# Altium PCB MainBoard_6_layers.PcbDoc (part 4 of 6)
Units mil, origin at the board's own origin, x right, y up, seen from the top; angles counter-clockwise.
Board outline 6692.91 x 6692.91 mil, 6 copper layers (Top Layer, Layer 1, Layer 3, Layer 4, Layer 2, Bottom Layer), stack 32.112 mil thick; 236 components, 405 nets, 1909 pads, 1279 vias.
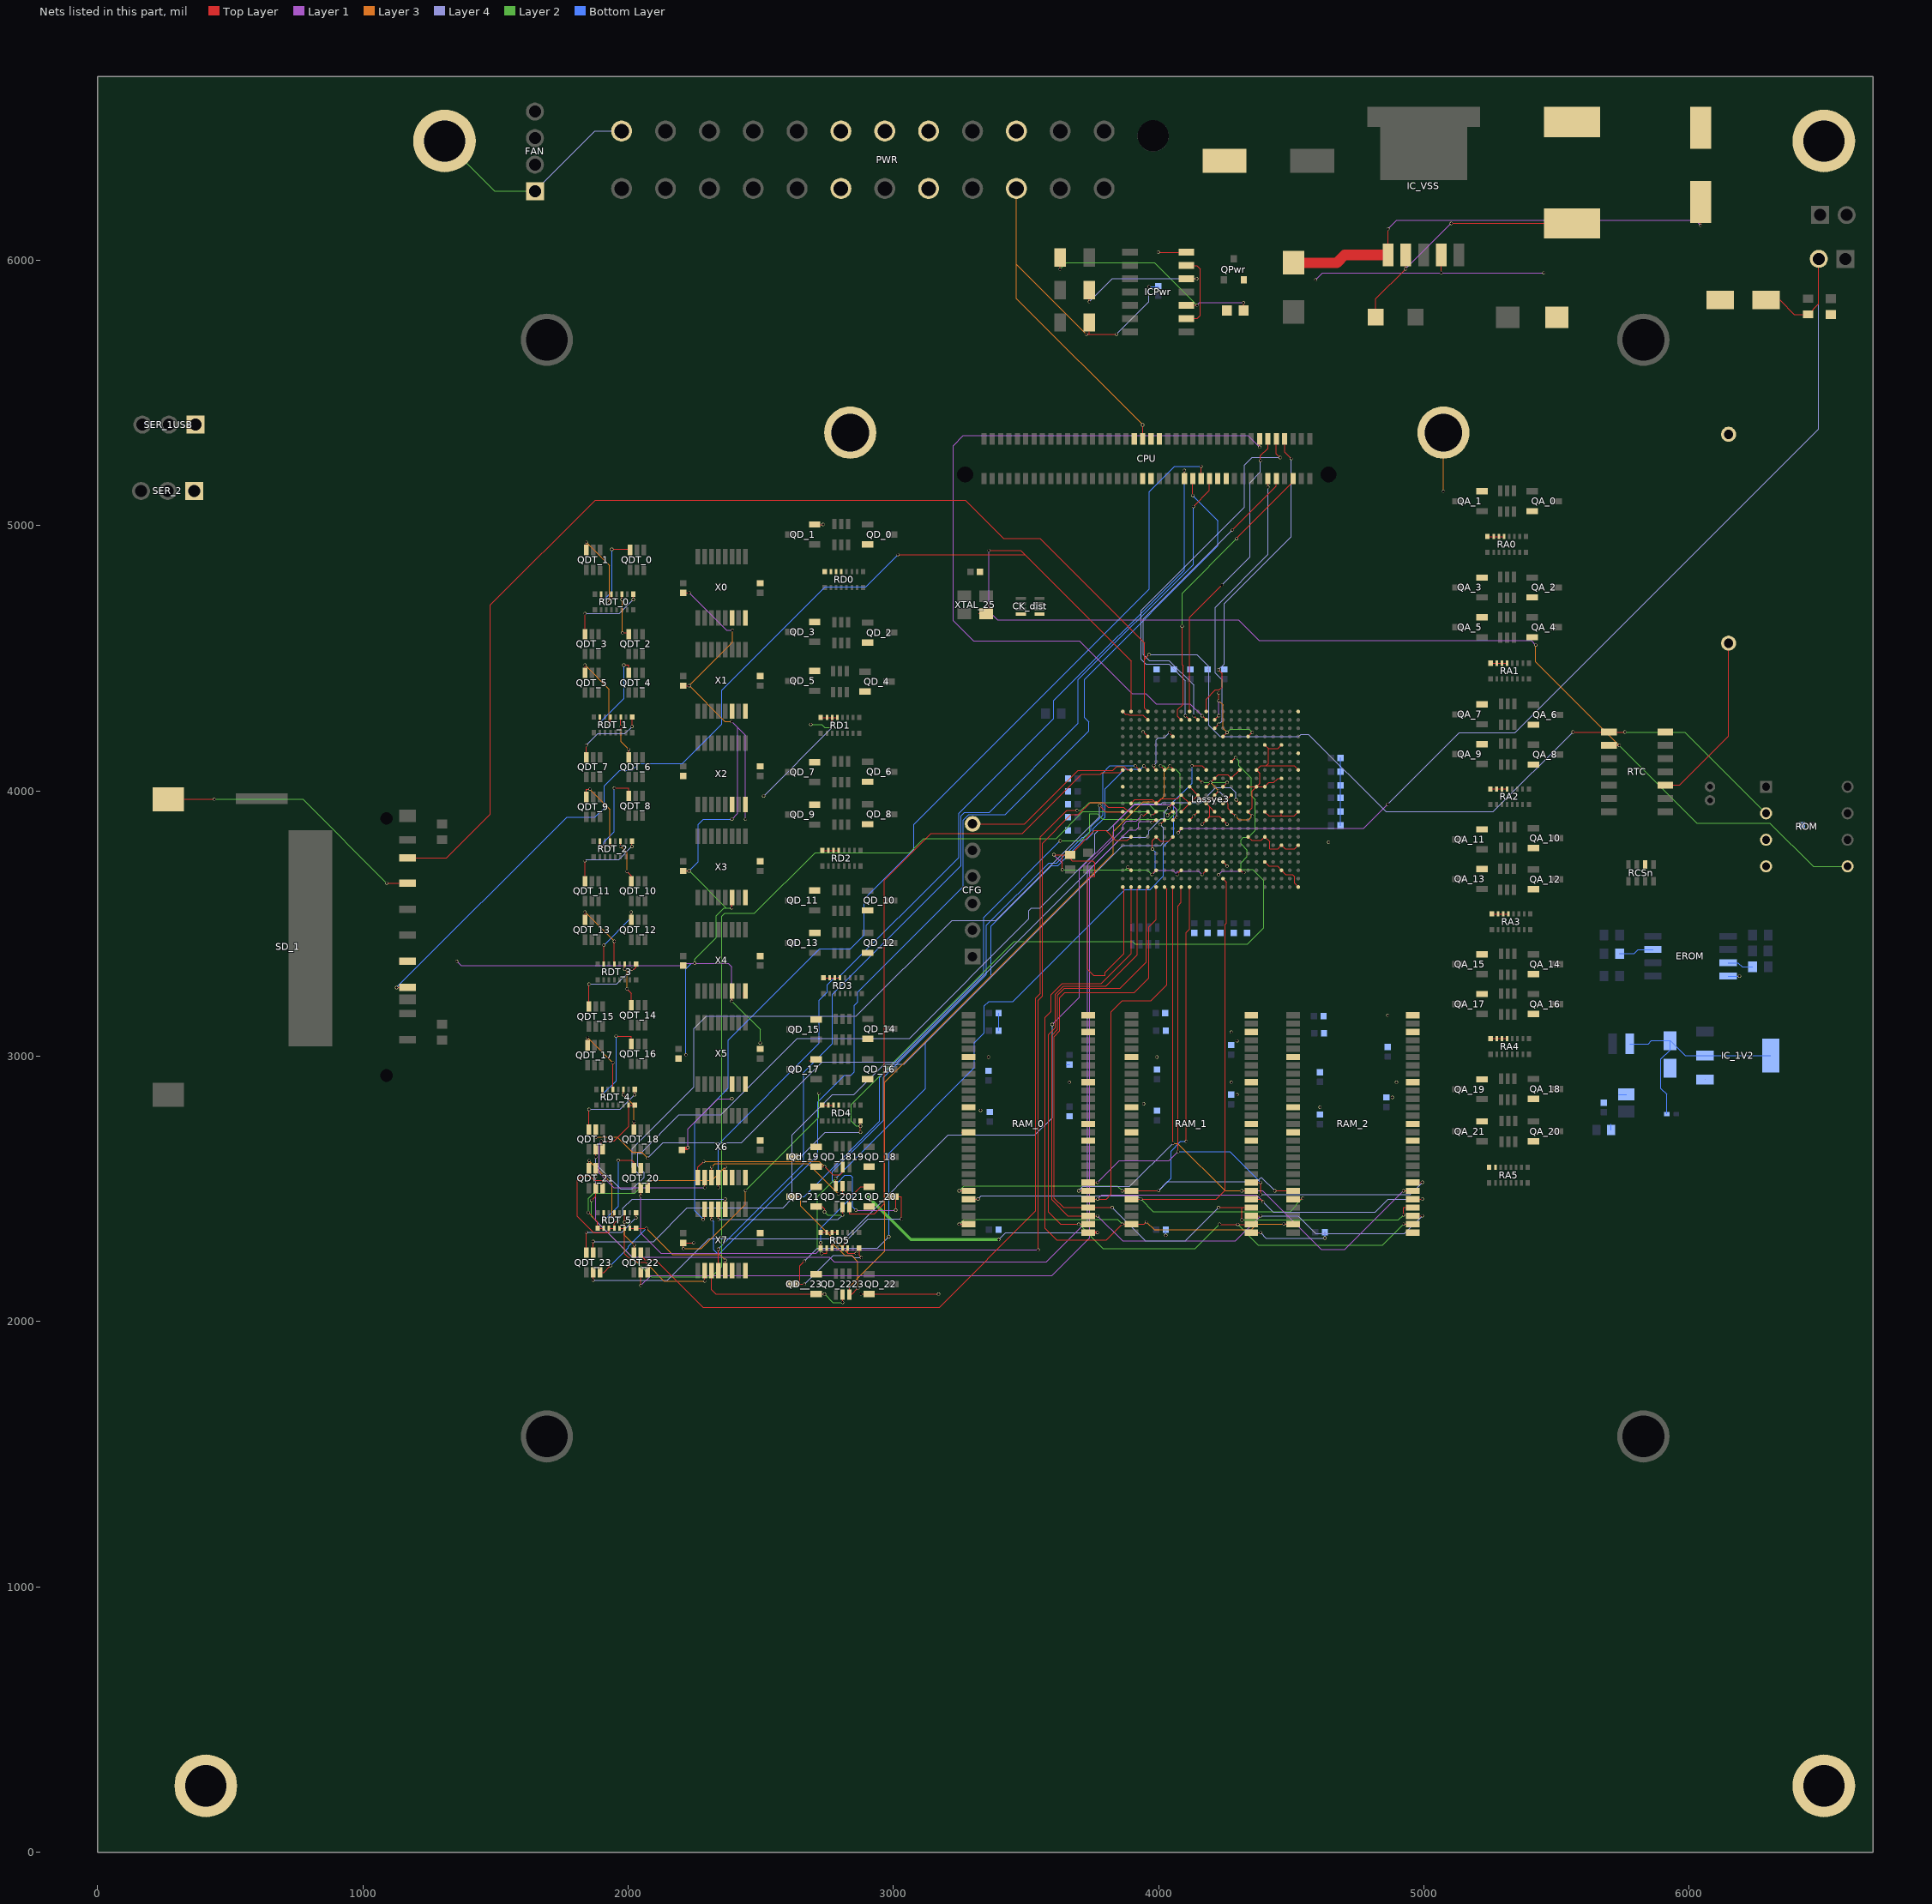
[diagram p8: the nets of this part, all layers, seen from the top]

## Via types
v1: diameter 11.81, hole 9.84, Top Layer to Bottom Layer, tented both sides, 1273 vias
v2: diameter 11.81, hole 9.84, Top Layer to Bottom Layer, 3 vias
v3: diameter 19.68, hole 13.78, Top Layer to Bottom Layer, tented both sides, 2 vias
v4: diameter 47.24, hole 35.43, Top Layer to Bottom Layer, tented both sides, 1 vias

## Nets (pads, with @x,y where several pads share a name; then routed paths per layer and width w, separated by ;. In a path a pad name is that pad's centre, name@x,y a point inside that pad or via, vN(x,y) a via of type N, cw(c..) or ccw(c..) an arc to the next point about the centre after c; other vN are vias at no path point) (continued)
D19_A_ToBUS: Lassye3.M7 QDT_19.5 | length 2813
  Top Layer w4: v1(1877.91,2695) QDT_19.5@1877.91,2724.3 ; v1(4037.91,3937) 4037.91,3937.39 Lassye3.M7@4053.7,3953.18
  Layer 3 w4: v1(1877.91,2695) 1958.91,2695 2014.91,2639 2050.72,2639 v1(2073.66,2616.05)
  Layer 4 w4: v1(2073.66,2616.05) 2132.4,2674.8 2427.71,2674.8 2731.91,2979 3013.96,2979 3860.96,3826 3951.91,3826 3963.91,3838 3963.91,3850 4009.91,3896 4020.91,3896 4020.91,3920 v1(4037.91,3937)
D19_B_FromBUS: Lassye3.G14 Qd_19.3 RD4.8 | length 3093.3
  Top Layer w4: Qd_19.3@2618.39,2621.05 2649.91,2621.05 v1(2649.97,2621) ; v1(2875.91,2737) v1@2876.02,2737.11 ; v1(2876.02,2714) v1@2876.02,2737.11 ; RD4.8@2876.02,2756.52 v1@2876.02,2737.11 ; Lassye3.G14@4274.17,4110.66 4289.51,4126 v1(4289.91,4126)
  Layer 2 w4: v1(2875.91,2737) 2859.91,2737 2840.91,2756 2840.91,2819 3455.41,3433.5 3902.39,3433.5 3912.26,3423.63 4334.45,3423.63 4395.82,3485 4395.82,3663.09 4353.91,3705 4310.01,3705 4310.01,3729 4333.91,3752.91 4333.91,3777.86 4309.91,3801.86 4309.91,3816 4318.82,3824.91 4338.66,3824.91 4364.82,3851.06 4364.82,3967.55 4350.01,3982.36 4350.01,4048.9 4302.91,4096 4302.91,4113 v1(4289.91,4126)
  Layer 4 w4: v1(2649.97,2621) 2742.97,2714 v1(2876.02,2714)
D19_B_ToBUS: Lassye3.M15 QDT_19.2 | length 3338.1
  Top Layer w4: v1(1877.91,2620) QDT_19.2@1877.91,2649.5 ; v1(4291.91,3966.94) Lassye3.M15@4305.67,3953.18
  Layer 4 w4: v1(1877.91,2620) 1877.91,2594 1971.91,2500 2015.91,2500 2059.91,2544 2059.91,2561 2035.91,2585 2035.91,2635.74 2048.66,2635.74 2191.92,2779 2349.91,2779 2637.87,3066.96 3060.62,3066.96 3511.33,3517.67 3511.33,3549.91 3519.91,3558.5 3552.16,3558.5 3759.85,3766.19 3759.85,3838.84 3771.91,3850.91 3809.21,3850.91 3910.53,3952.22 4010.78,3952.22 4015.46,3956.91 4159.82,3956.91 4215.91,4013 4271.91,4013 4291.91,3993 v1(4291.91,3966.94)
D19_FROM_BUS: Qd_19.1 QD_1819.2 X6.1 | length 670.9
  Top Layer w4: X6.1@2263.35,2543.62 2263.35,2582.43 v1(2284.91,2604) ; Qd_19.1@2708.94,2583.65 v1@2740.57,2583.65 ; v1(2740.91,2584) v1@2740.57,2583.65 ; QD_1819.2@2809.25,2582.31 2809.25,2562.34 2799.91,2553 2771.57,2553 2740.91,2583.65 v1@2740.57,2583.65
  Layer 3 w4: v1(2284.91,2604) 2720.91,2604 v1(2740.91,2584)
D19_TO_BUS: QDT_19.3 RDT_4.7 RDT_4.8 X6.2 | length 846.1
  Top Layer w4: QDT_19.3@1903.5,2649.5 1898.66,2654.34 v1(1898.66,2681.05) 1946.71,2681.05 2001.66,2736 RDT_4.7@2001.66,2816 RDT_4.8@2024.8,2816 ; v1(2288.91,2505) X6.2@2288.94,2543.62
  Layer 1 w4: v1(1898.66,2681.05) 1898.66,2679.71 1890.91,2671.97 1890.91,2560 1945.91,2505 v1(2288.91,2505)
D20: CPU.50 X6.4 | length 3510.4
  Top Layer w4: v1(2339.91,2505) 2340.12,2505.2 X6.4@2340.12,2543.62 ; v1(4096.91,5209) 4097.28,5208.63 CPU.50@4097.28,5177.83
  Bottom Layer w4: v1(2339.91,2505) 2339.91,2669 2719.91,3049 2719.91,3211 2751.07,3242.16 2751.07,3268.91 2777.21,3295.04 2791.96,3295.04 3247.13,3750.22 3247.13,3915.71 3604.54,4273.11 3604.54,4340.62 4096.91,4833 v1(4096.91,5209)
D20_A_FromBUS: Lassye3.H1 QD_2021.3 RD5.1 | length 2720.6
  Top Layer w4: RD5.1@2725.83,2277 2725.83,2296.91 v1(2725.91,2297) ; v1(2834.25,2461.28) QD_2021.3@2834.25,2431.68 2834.25,2407 2927.91,2407 2965.91,2445 2965.91,3664 3141.91,3840 3485.91,3840 3708.91,4063 3780.23,4063 3787.32,4070.09 3855.66,4070.09 Lassye3.H1@3864.73,4079.16
  Bottom Layer w4: v1(2725.91,2297) 2725.91,2352.94 v1(2834.25,2461.28)
D20_A_ToBUS: Lassye3.N1 QDT_20.5 | length 2693
  Top Layer w4: v1(2047.91,2549) QDT_20.5@2047.91,2578.46 ; v1(3777.91,3945) 3801.23,3921.68 Lassye3.N1@3864.73,3921.68
  Layer 4 w4: v1(2047.91,2549) 2015.91,2581 2015.91,2652.02 2247.91,2884.02 2247.91,3104 2294.91,3151 2859.77,3151 3220.77,3512 3386.56,3512 3777.91,3903.36 v1(3777.91,3945)
D20_B_FromBUS: Lassye3.H3 QD_20.3 RD5.5 | length 2950.4
  Top Layer w4: RD5.5@2808.03,2277 2808.03,2281.92 2817.17,2291.05 2817.17,2299.56 v1(2818.66,2301.05) ; QD_20.3@2998.94,2471.05 QD_20.3@3008.91,2471.05 ; v1(3008.91,2420) QD_20.3@3008.91,2471.05 ; v1(3030.91,2387) 3030.91,2471.05 QD_20.3@3008.91,2471.05 ; v1(3911.91,4095) Lassye3.H3@3927.72,4079.16
  Layer 1 w4: v1(2858.91,2420) v1(3008.91,2420)
  Layer 4 w4: v1(2818.66,2301.05) 2904.61,2387 v1(3030.91,2387)
  Bottom Layer w4: v1(2858.91,2420) 2846.91,2432 2846.91,2544 2838.91,2552 2817.91,2552 2793.91,2528 2770.91,2528 2770.91,2567 2962.91,2759 2962.91,2920.11 3350.91,3308.11 3350.91,3493.64 3586.19,3728.91 3615.83,3728.91 3711.91,3825 3718.29,3825 3745.01,3851.72 3745.01,3865.23 3789.82,3910.04 3789.82,4068 3816.82,4095 v1(3911.91,4095)
D20_B_ToBUS: Lassye3.N2 QDT_20.2 | length 3656.6
  Top Layer w4: v1(2047.91,2474) QDT_20.2@2047.91,2503.66 ; v1(3545.91,2270) 3545.91,3212 3561.91,3228 3561.91,3803.31 3669.6,3911 3696.91,3911 3742.82,3956.91 3791.73,3956.91 3809.63,3939 3868.2,3939 3883.6,3923.6 3894.31,3923.6 Lassye3.N2@3896.22,3921.68
  Layer 1 w4: v1(2047.91,2474) 2047.91,2334 2123.91,2258 2709.07,2258 2721.07,2270 v1(3545.91,2270)
D20_FROM_BUS: QD_20.1 QD_2021.5 X6.3 | length 726
  Top Layer w4: X6.3@2314.53,2543.62 2314.53,2582.61 v1(2314.91,2583) ; v1(2792.91,2481) 2808.66,2481 ; QD_2021.5@2808.66,2510.42 2808.66,2481 ; QD_20.1@2908.39,2508.45 2877.37,2508.45 2849.91,2481 2808.66,2481
  Layer 3 w4: v1(2314.91,2583) 2326.91,2595 2678.91,2595 v1(2792.91,2481)
D20_TO_BUS: QDT_20.3 RDT_5.1 RDT_5.2 X6.5 | length 783.6
  Top Layer w4: v1(1849.91,2411.17) 1885.08,2376 RDT_5.1@1885.08,2351.84 RDT_5.2@1908.23,2351.84 ; QDT_20.3@2073.5,2503.66 v1(2073.5,2532.59) ; X6.5@2365.71,2543.62 2365.71,2582.8 v1(2365.91,2583)
  Layer 2 w4: v1(1849.91,2411.17) 1849.91,2464 1869.91,2484 2024.91,2484 v1(2073.5,2532.59)
  Layer 3 w4: v1(2073.5,2532.59) 2315.5,2532.59 v1(2365.91,2583)
D21: CPU.52 X7.14 | length 4035.6
  Top Layer w4: v1(2314.53,2385) X7.14@2314.53,2423.53 ; v1(4128.78,5114.13) CPU.52@4128.78,5177.83
  Bottom Layer w4: v1(2314.53,2385) 2322.91,2376.61 2322.91,2270 2340.91,2252 2715.91,2627 2715.91,2828.31 2815.65,2928.05 2839.91,2928.05 2852.96,2941.09 2852.96,3192.37 2865.94,3205.34 2865.94,3242.13 3263.13,3639.33 3263.13,3890.77 3283.95,3911.58 3421.5,3911.58 3736.91,4227 3736.91,4261.09 3721.01,4277 3721.01,4421.09 4223.91,4924 4223.91,5019 v1(4128.78,5114.13)
D21_A_FromBUS: Lassye3.H4 QD_2021.6 RD5.2 | length 2500.3
  Top Layer w4: v1(2729.91,2257) 2748.98,2257 RD5.2@2748.98,2277 ; QD_2021.6@2783.07,2510.42 v1(2783.07,2540.02) ; v1(3943.91,4094.91) 3943.91,4094.46 Lassye3.H4@3959.21,4079.16
  Layer 2 w4: v1(2729.91,2257) 2713.91,2273 2713.91,2470.86 v1(2783.07,2540.02)
  Bottom Layer w4: v1(2783.07,2540.02) 3121.02,2877.96 3121.02,3051.74 3368.59,3299.31 3368.59,3491.32 3596.19,3718.92 3619.83,3718.92 3717.91,3817 3728.92,3817 3753.01,3841.09 3753.01,3857.52 3797.82,3902.33 3797.82,4008.91 3871.91,4083 3932,4083 v1(3943.91,4094.91)
D21_A_ToBUS: Lassye3.N4 QDT_21.5 | length 3841
  Top Layer w4: v1(1877.91,2548) QDT_21.5@1877.91,2577.4 ; v1(3935.91,3906) 3943.53,3906 Lassye3.N4@3959.21,3921.68
  Layer 1 w4: v1(1877.91,2548) 1877.91,2381 2015.91,2243 2758.91,2243 2776.91,2225 3576.91,2225 3732.01,2380.09 3732.01,3722.59 3865.88,3856.46 3865.88,3872.69 3879.91,3886.72 3916.64,3886.72 v1(3935.91,3906)
D21_B_FromBUS: Lassye3.H6 QD_21.3 RD5.6 | length 2957.6
  Top Layer w4: QD_21.3@2618.39,2471.05 v1(2649.91,2471.05) ; RD5.6@2827.72,2277 2827.72,2257.25 v1(2859.72,2257.25) ; v1(4006.91,4095) 4006.91,4094.73 4022.21,4079.44 Lassye3.H6@4022.21,4079.16
  Layer 2 w4: v1(3628.91,3812) 3707.91,3812 3739.91,3844 3739.91,3913.91 3769.01,3913.91 3788.91,3894 4039.91,3894 4081.91,3936 4081.91,4065 4063.91,4083 4030.91,4083 4018.91,4095 v1(4006.91,4095)
  Layer 3 w4: v1(2649.91,2471.05) 2649.91,2435.05 2827.72,2257.25 v1(2859.72,2257.25)
  Bottom Layer w4: v1(2649.91,2471.05) 2663.65,2471.05 2947.91,2755.31 2947.91,2920 3340.91,3313 3340.91,3524 v1(3628.91,3812)
D21_B_ToBUS: Lassye3.N5 QDT_21.2 | length 3848.5
  Top Layer w4: v1(1861.91,2457) 1877.91,2473 QDT_21.2@1877.91,2502.6 ; v1(3974.97,3905.94) Lassye3.N5@3990.71,3921.68
  Layer 2 w4: v1(1861.91,2457) 1861.91,2396 2088.91,2169 2313.91,2169 2352.91,2208 2352.91,3528 2363.91,3539 2475.91,3539 2704.91,3768 3061.91,3768 3114.91,3821 3614.1,3821 3715.01,3921.91 3959.01,3921.91 v1(3974.97,3905.94)
D21_FROM_BUS: QD_21.1 QD_2021.2 X7.13 | length 663.1
  Top Layer w4: v1(2339.91,2385) 2340.12,2385.2 X7.13@2340.12,2423.53 ; QD_21.1@2708.94,2433.65 2730.85,2433.65 2740.5,2424 v1(2740.5,2413.42) ; v1(2808.66,2402) QD_2021.2@2808.66,2431.68
  Layer 2 w4: v1(2740.5,2413.42) 2751.91,2402 v1(2808.66,2402)
  Layer 4 w4: v1(2339.91,2385) 2791.66,2385 v1(2808.66,2402)
D21_TO_BUS: QDT_21.3 RDT_5.3 RDT_5.4 X7.12 | length 983
  Top Layer w4: QDT_21.3@1903.5,2502.6 1903.5,2533 1870.91,2533 1855.91,2548 1823.91,2548 1807.91,2532 1807.91,2397 1869.91,2335 1927.91,2335 RDT_5.3@1927.91,2351.84 RDT_5.4@1947.6,2351.84 1947.6,2369.99 v1(1963.66,2386.05) ; X7.12@2365.71,2423.53 2365.71,2461.8 v1(2365.91,2462)
  Layer 4 w4: v1(1963.66,2386.05) 1980.6,2402.99 1980.6,2426.69 2015.91,2462 v1(2365.91,2462)
D22: CPU.54 X7.15 | length 3856.6
  Top Layer w4: v1(2282.91,2385) 2288.94,2391.02 X7.15@2288.94,2423.53 ; CPU.54@4160.28,5177.83 v1(4160.28,5224)
  Bottom Layer w4: v1(2282.91,2385) 2250.91,2417 2250.91,2753 2377.91,2880 2377.91,3061 2722.01,3405.09 2838.25,3405.09 2889.91,3456.76 2889.91,3593 3076.91,3780 3076.91,3874 3964.91,4762 3964.91,5128 4060.91,5224 v1(4160.28,5224)
D22_A_FromBUS: Lassye3.H7 QD_2223.3 RD5.3 | length 2835.5
  Top Layer w4: RD5.3@2768.66,2277 v1(2768.66,2296.75) ; QD_2223.3@2834.25,2101.68 QD_2223.3@2834.25,2104.45 ; v1(2834.25,2132.34) QD_2223.3@2834.25,2104.45 ; v1(2866.25,2126.45) 2844.25,2104.45 QD_2223.3@2834.25,2104.45 ; v1(4042.91,4095) 4051.79,4086.13 4051.79,4081.08 Lassye3.H7@4053.7,4079.16
  Layer 3 w4: v1(2768.66,2296.75) 2816.5,2248.91 2843.28,2248.91 2866.25,2225.93 2866.25,2164.34 ; v1(2834.25,2132.34) 2866.25,2164.34 ; v1(2866.25,2126.45) 2866.25,2164.34 ; v1(4042.91,4095) 4020.91,4073 4020.91,3981 3999.91,3960 3941.91,3960 3828.95,3847.03 3828.95,3764.03 2966.91,2902 2966.91,2265 2866.25,2164.34
D22_A_ToBUS: Lassye3.N7 QDT_22.5 | length 3727.2
  Top Layer w4: QDT_22.5@2047.91,2260.14 2047.91,2249.31 2058.65,2238.58 2058.65,2237.97 2062.61,2234 2101.91,2234 2281.91,2054 3173.91,2054 3537.01,2417.09 3537.01,3220.09 3553.82,3236.91 3553.82,3826.92 3653.9,3927 v1(3691.91,3927) ; v1(4033.91,3909) 4046.6,3921.68 Lassye3.N7@4053.7,3921.68
  Layer 2 w4: v1(3691.91,3927) 3707.91,3927 3737.82,3956.91 3956.01,3956.91 3987.91,3925 4017.91,3925 v1(4033.91,3909)
D22_B_ToBUS: Lassye3.P5 QDT_22.2 | length 3545.2
  Top Layer w4: v1(2047.91,2136) QDT_22.2@2047.91,2185.33 ; v1(3974.91,3882) 3976.41,3883.49 3981.31,3883.49 3988,3890.19 Lassye3.P5@3990.71,3890.19
  Layer 1 w4: v1(2047.91,2136) 2085.91,2174 3597.91,2174 3740.01,2316.09 3740.01,3704.09 3888.91,3853 3915.13,3853 3924.13,3862 3924.13,3879.21 3930.91,3886 3970.91,3886 v1(3974.91,3882)
D22_TO_BUS: QDT_22.3 RDT_5.5 RDT_5.6 X7.2 | length 529
  Top Layer w4: RDT_5.5@1967.29,2351.84 RDT_5.6@1986.97,2351.84 1986.97,2256 2011.97,2231 2026.91,2231 2034.17,2223.75 2064.76,2223.75 v1(2073.5,2215) QDT_22.3@2073.5,2185.33 ; v1(2288.91,2153) X7.2@2288.94,2192.19
  Layer 3 w4: v1(2073.5,2215) 2135.5,2153 v1(2288.91,2153)
D23: CPU.56 X7.4 | length 3807.6
  Top Layer w4: v1(2339.91,2273) 2340.12,2272.8 X7.4@2340.12,2192.19 ; v1(4130.91,5072.14) 4191.77,5133 CPU.56@4191.77,5177.83
  Bottom Layer w4: v1(2339.91,2273) 2661.91,2595 2661.91,2939 2770.91,3048 2770.91,3234 3255.13,3718.22 3255.13,3906.78 3267.93,3919.58 3361.59,3919.58 3696.88,4254.88 3696.88,4419.97 4130.91,4854 v1(4130.91,5072.14)
D23_A_ToBUS: Lassye3.P6 QDT_23.5 | length 3053.1
  Top Layer w4: QDT_23.5@1867.91,2260.14 v1(1867.91,2302) ; v1(4005.97,3873.95) Lassye3.P6@4022.21,3890.19
  Layer 4 w4: v1(1867.91,2302) 2095.91,2302 2222.91,2429 2583.91,2429 2618.91,2464 2618.91,2704.5 2770.01,2855.59 2850.51,2855.59 2965.87,2970.96 3040.5,2970.96 3864.45,3794.91 4007.91,3794.91 4018.91,3805.91 4018.91,3861 v1(4005.97,3873.95)
D23_B_FromBUS: Lassye3.H11 QD__23.3 RD5.8 | length 3215.7
  Top Layer w4: QD__23.3@2618.39,2141.05 2646.91,2141.05 ; v1(2664.91,2141.05) 2646.91,2141.05 ; v1(2664.91,2228) 2646.91,2210 2646.91,2141.05 ; RD5.8@2870.55,2277 2871.62,2275.93 2871.62,2250.21 2878.66,2243.17 v1(2878.66,2241.05) ; v1(4125.91,4095) 4163.85,4095 Lassye3.H11@4179.69,4079.16
  Layer 4 w4: v1(2664.91,2141.05) 2772.77,2248.91 2842.89,2248.91 2850.74,2241.05 v1(2878.66,2241.05) ; v1(2664.91,2228) 2713.91,2277 2939.91,2277 v1(2982.91,2320)
  Bottom Layer w4: v1(2982.91,2320) 2982.91,2634 3305.91,2957 3305.91,3051.17 3342.74,3088 3342.74,3189.83 3359.91,3207 3450.91,3207 3872.91,3629 3967.91,3629 4018.91,3680 4018.91,3792 4056.76,3829.84 4056.76,3960.84 4125.91,4030 v1(4125.91,4095)
D23_B_ToBUS: Lassye3.P7 QDT_23.2 | length 3539.9
  Top Layer w4: v1(1867.91,2156) QDT_23.2@1867.91,2185.33 ; Lassye3.P7@4053.7,3890.19 4063.07,3899.56 4067.17,3899.56 v1(4068.66,3901.05)
  Layer 1 w4: v1(3598.91,3120) 3701.91,3223 3701.91,3704.17 3830.03,3832.29 3830.03,3870.1 3908.84,3948.91 4050.91,3948.91 4068.66,3931.16 v1(4068.66,3901.05)
  Layer 4 w4: v1(1867.91,2156) 2147.91,2156 2304.87,2312.96 2816.87,2312.96 3206.91,2703 3533.91,2703 3598.91,2768 v1(3598.91,3120)
D23_FROM_BUS: QD_2223.2 QD__23.1 X7.3 | length 615.9
  Top Layer w4: X7.3@2314.53,2192.19 2314.53,2120 2330.88,2103.65 QD__23.1@2708.94,2103.65 v1(2740.5,2103.65) ; v1(2808.66,2072) QD_2223.2@2808.66,2101.68
  Layer 2 w4: v1(2740.5,2103.65) 2772.15,2072 v1(2808.66,2072)
D23_TO_BUS: QDT_23.3 RDT_5.7 RDT_5.8 X7.5 | length 694.9
  Top Layer w4: QDT_23.3@1893.5,2185.33 1907.94,2185.33 v1(1933.66,2211.05) ; RDT_5.7@2006.66,2351.84 RDT_5.8@2029.8,2351.84 2067.88,2351.84 v1(2068.66,2351.05) ; X7.5@2365.71,2192.19 2365.71,2230.8 v1(2365.91,2231)
  Layer 3 w4: v1(2068.66,2351.05) 2167.72,2252 2344.91,2252 v1(2365.91,2231)
  Bottom Layer w4: v1(1933.66,2211.05) 2000.63,2278.03 2000.63,2283.03 v1(2068.66,2351.05)
D_0S: QDT_0.6 RDT_0.15 | length 317.6
  Top Layer w4: RDT_0.15@1897.91,4742.1 1898.29,4741.72 1898.29,4711.43 v1(1898.66,4711.05) ; v1(1938.66,4911.05) 2004.87,4911.05 QDT_0.6@2007.32,4908.6
  Bottom Layer w4: v1(1898.66,4711.05) 1938.66,4751.05 v1(1938.66,4911.05)
D_1S: QDT_1.6 RDT_0.13 | length 327.8
  Top Layer w4: QDT_1.6@1842.32,4908.6 v1(1842.32,4938) ; v1(1928.66,4711.05) 1937.28,4719.68 RDT_0.13@1937.28,4742.1
  Layer 3 w4: v1(1842.32,4938) 1929.91,4850.41 1929.91,4712.31 v1(1928.66,4711.05)
D_2S: QDT_2.6 RDT_0.11 | length 183.9
  Top Layer w4: RDT_0.11@1976.65,4742.1 1976.65,4722 v1(1976.91,4721.74) ; v1(1978.66,4596.05) 1996.21,4596.05 2002.32,4602.16 QDT_2.6@2002.32,4591.34
  Layer 3 w4: v1(1976.91,4721.74) 1977.79,4720.87 1977.79,4596.93 v1(1978.66,4596.05)
D_3S: QDT_3.6 RDT_0.9 | length 301.9
  Top Layer w4: QDT_3.6@1837.32,4591.34 v1(1837.32,4669) ; v1(2019.49,4722) RDT_0.9@2019.49,4742.1
  Layer 4 w4: v1(1837.32,4669) 1966.49,4669 v1(2019.49,4722)
D_4S: QDT_4.6 RDT_1.15 | length 320.4
  Top Layer w4: RDT_1.15@1893.7,4279 1893.7,4259.21 v1(1893.91,4259) ; v1(1984.01,4474.59) 2002.32,4474.59 QDT_4.6@2002.32,4445.5
  Bottom Layer w4: v1(1893.91,4259) 1984.01,4349.09 v1(1984.01,4474.59)
D_5S: QDT_5.6 RDT_1.13 | length 321
  Top Layer w4: QDT_5.6@1837.32,4445.5 v1(1837.32,4475) ; v1(1928.66,4251.05) 1928.66,4253.17 1933.07,4257.58 RDT_1.13@1933.07,4279
  Layer 3 w4: v1(1837.32,4475) 1928.66,4383.66 v1(1928.66,4251.05)
D_6S: QDT_6.6 RDT_1.11 | length 164
  Top Layer w4: RDT_1.11@1972.44,4279 1972.44,4243 v1(1972.91,4242.53) ; v1(2001.91,4157) 2002.32,4156.59 QDT_6.6@2002.32,4127.4
  Layer 3 w4: v1(1972.91,4242.53) 1972.91,4186 v1(2001.91,4157)
D_7S: QDT_7.6 RDT_1.9 | length 283.3
  Top Layer w4: QDT_7.6@1842.32,4127.4 v1(1842.32,4173) ; v1(2015.28,4243.36) RDT_1.9@2015.28,4279
  Layer 4 w4: v1(1842.32,4173) 1885.32,4216 1987.91,4216 v1(2015.28,4243.36)
D_8S: QDT_8.6 RDT_2.15 | length 355.2
  Top Layer w4: RDT_2.15@1892.91,3810.89 1892.91,3792.25 1907.66,3792.25 v1(1908.91,3791) ; v1(1947.91,4011) 2002.32,4011 QDT_8.6@2002.32,3981.57
  Bottom Layer w4: v1(1908.91,3791) 1908.91,3807 1947.91,3846 v1(1947.91,4011)
D_9S: QDT_9.6 RDT_2.13 | length 310.7
  Top Layer w4: QDT_9.6@1842.32,3977.4 1842.32,4007 v1(1855.91,4007) ; v1(1931.91,3791) 1932.28,3791.37 RDT_2.13@1932.28,3810.89
  Layer 3 w4: v1(1855.91,4007) 1931.91,3931 v1(1931.91,3791)
D_10S: QDT_10.6 RDT_2.11 | length 167.6
  Top Layer w4: v1(1971.65,3791) RDT_2.11@1971.65,3810.89 ; v1(1995.91,3696.41) 2012.32,3680 QDT_10.6@2012.32,3660.14
  Layer 3 w4: v1(1971.65,3791) 1995.91,3766.74 v1(1995.91,3696.41)
D_11S: QDT_11.6 RDT_2.9 | length 296.3
  Top Layer w4: QDT_11.6@1837.32,3660.14 v1(1837.32,3737) ; v1(2014.49,3791) RDT_2.9@2014.49,3810.89
  Layer 4 w4: v1(1837.32,3737) 1841.32,3741 1964.49,3741 v1(2014.49,3791)
D_12S: QDT_12.6 RDT_3.15 | length 268.2
  Top Layer w4: RDT_3.15@1908.23,3347.79 v1(1908.23,3419) ; v1(2011.91,3543.59) 2012.32,3543.18 QDT_12.6@2012.32,3514.3
  Bottom Layer w4: v1(1908.23,3419) 2011.91,3522.68 v1(2011.91,3543.59)
D_13S: QDT_13.6 RDT_3.13 | length 271.6
  Top Layer w4: QDT_13.6@1837.32,3514.3 v1(1837.32,3544) ; RDT_3.13@1947.6,3347.79 v1(1947.6,3433.72)
  Layer 3 w4: v1(1837.32,3544) v1(1947.6,3433.72)
D_14S: QDT_14.6 RDT_3.11 | length 165.9
  Top Layer w4: v1(1986.91,3328) 1986.97,3328.06 RDT_3.11@1986.97,3347.79 ; v1(1995.91,3254) 2012.32,3237.59 QDT_14.6@2012.32,3192.4
  Layer 3 w4: v1(1986.91,3328) 1995.91,3319 v1(1995.91,3254)
D_15S: QDT_15.6 RDT_3.9 | length 301.2
  Top Layer w4: QDT_15.6@1852.32,3187.4 v1(1852.32,3272) ; v1(2013.91,3328) 2021.8,3328 2029.8,3336 RDT_3.9@2029.8,3347.79
  Layer 4 w4: v1(1852.32,3272) 1922.77,3272 1923.73,3272.96 1933.59,3272.96 1934.55,3272 1957.91,3272 v1(2013.91,3328)
D_16S: QDT_16.6 RDT_4.15 | length 349.6
  Top Layer w4: v1(1902.91,2855) 1903.23,2855.32 RDT_4.15@1903.23,2875.06 ; v1(1954.91,3076) 2012.32,3076 QDT_16.6@2012.32,3046.56
  Bottom Layer w4: v1(1902.91,2855) 1954.91,2907 v1(1954.91,3076)
D_17S: QDT_17.6 RDT_4.13 | length 264.8
  Top Layer w4: QDT_17.6@1847.32,3041.56 v1(1847.32,3071) ; RDT_4.13@1942.6,2875.06 v1(1942.6,2975.72)
  Layer 3 w4: v1(1847.32,3071) v1(1942.6,2975.72)
D_18S: QDT_18.6 RDT_4.11 | length 167.5
  Top Layer w4: v1(1981.91,2855) 1981.97,2855.06 RDT_4.11@1981.97,2875.06 ; v1(2021.91,2754) 2022.32,2753.59 QDT_18.6@2022.32,2724.3
  Layer 3 w4: v1(1981.91,2855) 2021.91,2815 v1(2021.91,2754)
D_19S: QDT_19.6 RDT_4.9 | length 291
  Top Layer w4: QDT_19.6@1852.32,2724.3 v1(1852.32,2800) ; v1(2024.8,2855) RDT_4.9@2024.8,2875.06
  Layer 4 w4: v1(1852.32,2800) 1969.8,2800 v1(2024.8,2855)
D_20S: QDT_20.6 RDT_5.15 | length 363.7
  Top Layer w4: RDT_5.15@1908.23,2410.9 1908.45,2410.68 1908.45,2381.27 v1(1908.66,2381.05) ; v1(1962.91,2608) 2014.32,2608 2022.32,2600 QDT_20.6@2022.32,2578.46